# Allegro board 8880F5-0823_RXTX.brd (continued)
## Placement (name value [footprint] x y rotation side) (continued)
NOREF#2161  -  []  462.06 293.82 90 top
NOREF#2162  -  []  256.45 164.72 0 top
NOREF#2163  -  []  251.86 192.43 90 top
NOREF#2164  -  []  451.64 179.06 0 top
NOREF#2165  -  []  184.47 247.18 90 top
NOREF#2166  -  []  461.96 174.55 0 top
NOREF#2167  -  []  321.35 296.86 0 top
NOREF#2168  -  []  110.21 222.33 0 top
NOREF#2169  -  []  394.66 274.38 90 top
NOREF#2170  -  []  229.21 247.61 0 top
NOREF#2171  -  []  201.49 147.53 90 top
NOREF#2172  -  []  253.4 265.56 90 top
NOREF#2173  -  []  369.38 257.11 0 top
NOREF#2174  -  []  182.57 226.57 0 top
NOREF#2175  -  []  199.33 240.28 0 top
NOREF#2176  -  []  210.86 242.18 90 top
NOREF#2177  -  []  334.61 264.65 90 top
NOREF#2178  -  []  177.33 255.9 90 top
NOREF#2179  -  []  253.72 204.65 90 top
NOREF#2180  -  []  101.82 290.38 90 top
NOREF#2181  -  []  201.49 149.73 90 top
NOREF#2182  -  []  168.69 292.55 90 top
NOREF#2183  -  []  471.59 130.36 90 top
NOREF#2184  -  []  331.94 204.65 90 top
NOREF#2185  -  []  331.62 264.35 90 top
NOREF#2186  -  []  182.57 240.28 0 top
NOREF#2187  -  []  172.08 272.6 90 top
NOREF#2188  -  []  415.61 185.72 90 top
NOREF#2189  -  []  313.98 131.19 90 top
NOREF#2190  -  []  384.36 131.89 0 top
NOREF#2191  -  []  352.25 241.69 0 top
NOREF#2192  -  []  167.7 215.35 90 top
NOREF#2193  -  []  333.33 181.33 90 top
NOREF#2194  -  []  409.43 139.89 0 top
NOREF#2195  -  []  238.45 197.01 0 top
NOREF#2196  -  []  259.88 288.41 90 top
NOREF#2197  -  []  317.66 224.72 0 top
NOREF#2198  -  []  419.47 241.11 90 top
NOREF#2199  -  []  383.09 224.85 0 top
NOREF#2200  -  []  75.98 273.87 90 top
NOREF#2201  -  []  351.58 288.86 0 top
NOREF#2202  -  []  184.47 161 90 top
NOREF#2203  -  []  310.43 188.88 90 top
NOREF#2204  -  []  381.74 281.11 0 top
NOREF#2205  -  []  119.99 214.79 0 top
NOREF#2206  -  []  229.05 211.67 0 top
NOREF#2207  -  []  396.55 273.11 0 top
NOREF#2208  -  []  450.03 210.36 0 top
NOREF#2209  -  []  353.35 288.41 90 top
NOREF#2210  -  []  392.24 193.43 90 top
NOREF#2211  -  []  398.65 265.37 0 top
NOREF#2212  -  []  252.51 265.56 90 top
NOREF#2213  -  []  192.47 236.67 90 top
NOREF#2214  -  []  166.06 203.01 90 top
NOREF#2215  -  []  449.99 174.46 0 top
NOREF#2216  -  []  346.27 129.42 0 top
NOREF#2217  -  []  301.56 179.06 0 top
NOREF#2218  -  []  168.13 254.6 90 top
NOREF#2219  -  []  317.66 164.74 0 top
NOREF#2220  -  []  352.24 182.32 90 top
NOREF#2221  -  []  283.21 282 0 top
NOREF#2222  -  []  342.04 224.74 0 top
NOREF#2223  -  []  313.22 288.31 90 top
NOREF#2224  -  []  184.47 227.72 0 top
NOREF#2225  -  []  286.55 288.41 90 top
NOREF#2226  -  []  273.5 148.65 90 top
NOREF#2227  -  []  392.24 196.98 90 top
NOREF#2228  -  []  122.41 178.64 0 top
NOREF#2229  -  []  339.65 204.65 90 top
NOREF#2230  -  []  305.94 288.86 0 top
NOREF#2231  -  []  495.08 274.77 90 top
NOREF#2232  -  []  351.34 242.64 0 top
NOREF#2233  -  []  111.54 287.84 90 top
NOREF#2234  -  []  333.72 205.86 90 top
NOREF#2235  -  []  235.4 289.88 90 top
NOREF#2236  -  []  238.3 223.52 90 top
NOREF#2237  -  []  182.57 199.39 0 top
NOREF#2238  -  []  184.47 178.86 90 top
NOREF#2239  -  []  66.26 287.84 90 top
NOREF#2240  -  []  302.11 142.44 0 top
NOREF#2241  -  []  470.71 183.57 90 top
NOREF#2242  -  []  309.21 247.61 0 top
NOREF#2243  -  []  415.6 146.88 0 top
NOREF#2244  -  []  390.53 171.64 0 top
NOREF#2245  -  []  310.43 186.34 90 top
NOREF#2246  -  []  127.99 214.79 0 top
NOREF#2247  -  []  259.65 204.65 90 top
NOREF#2248  -  []  216.96 192.14 0 top
NOREF#2249  -  []  424.98 146.43 90 top
NOREF#2250  -  []  184.47 206.29 90 top
NOREF#2251  -  []  175.7 202.99 90 top
NOREF#2252  -  []  184.89 199.99 90 top
NOREF#2253  -  []  118.74 210.19 90 top
NOREF#2254  -  []  396.22 139.89 0 top
NOREF#2255  -  []  184.89 254.6 90 top
NOREF#2256  -  []  511.59 293.82 90 top
NOREF#2257  -  []  352.55 189.5 0 top
NOREF#2258  -  []  343.95 164.74 90 top
NOREF#2259  -  []  250.49 164.74 90 top
NOREF#2260  -  []  271.34 241.37 0 top
NOREF#2261  -  []  234.7 286.71 90 top
NOREF#2262  -  []  310.73 247.93 0 top
NOREF#2263  -  []  167.7 206.29 90 top
NOREF#2264  -  []  118.74 215.34 0 top
NOREF#2265  -  []  166.06 162.12 90 top
NOREF#2266  -  []  552.76 299.72 0 top
NOREF#2267  -  []  352.25 181.05 90 top
NOREF#2268  -  []  379.73 271.21 90 top
NOREF#2269  -  []  450.03 225.6 0 top
NOREF#2270  -  []  182.82 162.12 90 top
NOREF#2271  -  []  388.43 163.64 0 top
NOREF#2272  -  []  401.89 163.64 0 top
NOREF#2273  -  []  167.7 192.32 90 top
NOREF#2274  -  []  106.76 215.26 0 top
NOREF#2275  -  []  247.34 133.41 90 top
NOREF#2276  -  []  398.65 297.12 0 top
NOREF#2277  -  []  250.49 223.52 90 top
NOREF#2278  -  []  201.23 187.92 90 top
NOREF#2279  -  []  184.47 178.86 90 top
NOREF#2280  -  []  419.47 289.12 90 top
NOREF#2281  -  []  261.42 135.74 90 top
NOREF#2282  -  []  392.04 289.12 90 top
NOREF#2283  -  []  253.4 265.55 0 top
NOREF#2284  -  []  252.6 288.86 0 top
NOREF#2285  -  []  404.15 257.37 0 top
NOREF#2286  -  []  201.23 242.78 90 top
NOREF#2287  -  []  478.57 274.77 90 top
NOREF#2288  -  []  272.25 181.05 90 top
NOREF#2289  -  []  330.51 288.86 0 top
NOREF#2290  -  []  253.72 265.86 90 top
NOREF#2291  -  []  199.59 158.5 90 top
NOREF#2292  -  []  257.09 224.74 90 top
NOREF#2293  -  []  283.91 273.37 90 top
NOREF#2294  -  []  390.53 146.88 0 top
NOREF#2295  -  []  283.21 270.2 90 top
NOREF#2296  -  []  200.98 255.15 90 top
NOREF#2297  -  []  297.41 213.24 0 top
NOREF#2298  -  []  400.34 194.68 90 top
NOREF#2299  -  []  98.78 195.15 0 top
NOREF#2300  -  []  270.29 135.24 90 top
NOREF#2301  -  []  392.47 256.56 90 top
NOREF#2302  -  []  309.21 183.09 0 top
NOREF#2303  -  []  352.25 185.5 0 top
NOREF#2304  -  []  406.65 271.21 90 top
NOREF#2305  -  []  511.59 291.28 90 top
NOREF#2306  -  []  253.4 204.35 90 top
NOREF#2307  -  []  250.73 265.56 90 top
NOREF#2308  -  []  331.62 205.56 90 top
NOREF#2309  -  []  177.33 173.86 90 top
NOREF#2310  -  []  383.09 224.85 0 top
NOREF#2311  -  []  423.2 146.88 0 top
NOREF#2312  -  []  167.7 255.15 0 top
NOREF#2313  -  []  308.36 202.16 45 top
NOREF#2314  -  []  389.7 209.36 0 top
NOREF#2315  -  []  250.18 242.88 0 top
NOREF#2316  -  []  369.63 273.11 0 top
NOREF#2317  -  []  210.86 214.75 90 top
NOREF#2318  -  []  237.57 269.63 90 top
NOREF#2319  -  []  271.34 245.18 0 top
NOREF#2320  -  []  468.85 259.9 90 top
NOREF#2321  -  []  351.04 245.5 0 top
NOREF#2322  -  []  266.74 272.1 0 top
NOREF#2323  -  []  240.83 194.63 0 top
NOREF#2324  -  []  302.49 296.86 0 top
NOREF#2325  -  []  410.84 163.64 90 top
NOREF#2326  -  []  301.56 190.49 0 top
NOREF#2327  -  []  375.73 194.78 90 top
NOREF#2328  -  []  461.86 225.6 90 top
NOREF#2329  -  []  354.27 131.87 90 top
NOREF#2330  -  []  314.71 129.74 90 top
NOREF#2331  -  []  251.38 164.74 90 top
NOREF#2332  -  []  229.21 248.88 0 top
NOREF#2333  -  []  310.41 248.88 90 top
NOREF#2334  -  []  352.24 244.86 90 top
NOREF#2335  -  []  343.2 172.26 90 top
NOREF#2336  -  []  209.49 182.06 90 top
NOREF#2337  -  []  127.55 184.33 90 top
NOREF#2338  -  []  301.56 239.06 0 top
NOREF#2339  -  []  342.63 296.86 0 top
NOREF#2340  -  []  346.27 130.77 90 top
NOREF#2341  -  []  167.7 145.93 90 top
NOREF#2342  -  []  400.25 148.15 90 top
NOREF#2343  -  []  184.47 219.75 90 top
NOREF#2344  -  []  375.22 180.15 0 top
NOREF#2345  -  []  168.13 213.45 90 top
NOREF#2346  -  []  326.23 233.13 0 top
NOREF#2347  -  []  394.66 290.39 90 top
NOREF#2348  -  []  319.33 176.03 90 top
NOREF#2349  -  []  107.76 238.84 0 top
NOREF#2350  -  []  209.59 147.43 90 top
NOREF#2351  -  []  184.47 145.93 0 top
NOREF#2352  -  []  423.61 184.62 90 top
NOREF#2353  -  []  94.68 234.24 0 top
NOREF#2354  -  []  386.53 148.15 90 top
NOREF#2355  -  []  381.74 297.12 0 top
NOREF#2356  -  []  271.34 189.5 0 top
NOREF#2357  -  []  211.11 146.93 90 top
NOREF#2358  -  []  105.93 204.27 90 top
NOREF#2359  -  []  209.23 232.37 90 top
NOREF#2360  -  []  381.86 129.99 0 top
NOREF#2361  -  []  272.25 244.86 90 top
NOREF#2362  -  []  312.46 131.69 90 top
NOREF#2363  -  []  247.78 132.14 90 top
NOREF#2364  -  []  263.31 164.72 0 top
NOREF#2365  -  []  329.28 225.04 90 top
NOREF#2366  -  []  271.34 183.91 0 top
NOREF#2367  -  []  199.33 199.39 0 top
NOREF#2368  -  []  112.67 178.64 0 top
NOREF#2369  -  []  295.96 248.49 0 top
NOREF#2370  -  []  333.72 204.65 90 top
NOREF#2371  -  []  201.23 200.54 90 top
NOREF#2372  -  []  262.34 143.19 0 top
NOREF#2373  -  []  392.73 171.64 0 top
NOREF#2374  -  []  272.55 183.91 0 top
NOREF#2375  -  []  324.65 288.86 0 top
NOREF#2376  -  []  385.93 161.74 0 top
NOREF#2377  -  []  410.52 273.37 0 top
NOREF#2378  -  []  367.13 287.22 0 top
NOREF#2379  -  []  410.84 180.15 90 top
NOREF#2380  -  []  167.7 163.2 90 top
NOREF#2381  -  []  251.62 265.56 0 top
NOREF#2382  -  []  272.66 288.86 90 top
NOREF#2383  -  []  111.54 290.38 90 top
NOREF#2384  -  []  392.73 188.15 0 top
NOREF#2385  -  []  409.17 297.12 0 top
NOREF#2386  -  []  451.64 222.5 0 top
NOREF#2387  -  []  247.25 265.56 90 top
NOREF#2388  -  []  166.06 243.9 90 top
NOREF#2389  -  []  371.48 241.11 0 top
NOREF#2390  -  []  394.05 287.22 0 top
NOREF#2391  -  []  273.24 272.1 0 top
NOREF#2392  -  []  331.94 205.86 90 top
NOREF#2393  -  []  230.83 164.63 0 top
NOREF#2394  -  []  106.11 234.24 0 top
NOREF#2395  -  []  167.7 217.55 90 top
NOREF#2396  -  []  518.38 292.92 90 top
NOREF#2397  -  []  460.93 182.17 90 top
NOREF#2398  -  []  341.63 173.83 90 top
NOREF#2399  -  []  449.99 217.9 0 top
NOREF#2400  -  []  237.57 209.63 90 top
NOREF#2401  -  []  230.73 193.69 0 top
NOREF#2402  -  []  392.04 273.11 90 top
NOREF#2403  -  []  184.89 227.17 90 top
NOREF#2404  -  []  251.22 253.63 0 top
NOREF#2405  -  []  226.83 269.63 90 top
NOREF#2406  -  []  230.43 254.01 0 top
NOREF#2407  -  []  210.86 187.32 90 top
NOREF#2408  -  []  167.7 145.93 0 top
NOREF#2409  -  []  226.85 211.67 0 top
NOREF#2410  -  []  351.04 182.96 0 top
NOREF#2411  -  []  390.94 224.9 90 top
NOREF#2412  -  []  112.41 195.15 0 top
NOREF#2413  -  []  292.74 296.86 0 top
NOREF#2414  -  []  192.47 243.88 90 top
NOREF#2415  -  []  167.7 219.75 90 top
NOREF#2416  -  []  327.57 204.65 90 top
NOREF#2417  -  []  378.75 240.56 90 top
NOREF#2418  -  []  319.33 176.03 0 top
NOREF#2419  -  []  184.47 258.7 90 top
NOREF#2420  -  []  352.25 242.32 90 top
NOREF#2421  -  []  405.93 272.66 90 top
NOREF#2422  -  []  276.4 147.38 0 top
NOREF#2423  -  []  411.52 146.33 90 top
NOREF#2424  -  []  256.45 224.74 0 top
NOREF#2425  -  []  119.7 238.84 0 top
NOREF#2426  -  []  324.9 288.91 90 top
NOREF#2427  -  []  367.48 258.38 90 top
NOREF#2428  -  []  115.61 191.95 90 top
NOREF#2429  -  []  226.27 156.63 90 top
NOREF#2430  -  []  462.06 291.28 90 top
NOREF#2431  -  []  301.34 286.96 0 top
NOREF#2432  -  []  403.99 163.64 0 top
NOREF#2433  -  []  248.96 164.74 0 top
NOREF#2434  -  []  250.74 224.72 0 top
NOREF#2435  -  []  355.89 130.17 90 top
NOREF#2436  -  []  303.26 152.34 0 top
NOREF#2437  -  []  201.23 201.89 90 top
NOREF#2438  -  []  209.33 215.25 90 top
NOREF#2439  -  []  318.32 131.64 0 top
NOREF#2440  -  []  175.8 133.97 90 top
NOREF#2441  -  []  405.5 289.12 90 top
NOREF#2442  -  []  199.84 175.58 90 top
NOREF#2443  -  []  405.51 217.61 0 top
NOREF#2444  -  []  385.19 257.11 0 top
NOREF#2445  -  []  272.25 241.05 90 top
NOREF#2446  -  []  310.41 253.37 90 top
NOREF#2447  -  []  330.73 205.56 0 top
NOREF#2448  -  []  511.59 257.36 90 top
NOREF#2449  -  []  226.44 294.64 90 top
NOREF#2450  -  []  259.65 204.65 90 top
NOREF#2451  -  []  317.05 288.86 0 top
NOREF#2452  -  []  209.59 160.9 90 top
NOREF#2453  -  []  401.87 139.89 0 top
NOREF#2454  -  []  259.97 264.35 90 top
NOREF#2455  -  []  354.37 130.67 90 top
NOREF#2456  -  []  419.9 272.92 90 top
NOREF#2457  -  []  373.68 232.6 0 top
NOREF#2458  -  []  393.31 131.89 90 top
NOREF#2459  -  []  419.4 171.64 0 top
NOREF#2460  -  []  425.7 144.98 90 top
NOREF#2461  -  []  229.51 253.69 0 top
NOREF#2462  -  []  239.33 236.03 90 top
NOREF#2463  -  []  400.85 281.11 0 top
NOREF#2464  -  []  559.43 297.18 90 top
NOREF#2465  -  []  167.7 241.43 90 top
NOREF#2466  -  []  182.57 185.42 0 top
NOREF#2467  -  []  166.06 148.4 90 top
NOREF#2468  -  []  118.96 179.19 0 top
NOREF#2469  -  []  317.98 225.04 90 top
NOREF#2470  -  []  368.28 281.11 0 top
NOREF#2471  -  []  419.65 256.92 90 top
NOREF#2472  -  []  317.57 269.63 90 top
NOREF#2473  -  []  122.15 222.33 0 top
NOREF#2474  -  []  209.49 177.76 90 top
NOREF#2475  -  []  115.87 175.44 90 top
NOREF#2476  -  []  167.7 201.89 90 top
NOREF#2477  -  []  240.94 151.63 90 top
NOREF#2478  -  []  331.86 252.43 90 top
NOREF#2479  -  []  344.37 128.27 0 top
NOREF#2480  -  []  201.49 163.2 90 top
NOREF#2481  -  []  352.25 243.59 90 top
NOREF#2482  -  []  285.02 288.91 90 top
NOREF#2483  -  []  326.17 131.69 90 top
NOREF#2484  -  []  300.36 177.06 0 top
NOREF#2485  -  []  288.74 290.13 90 top
NOREF#2486  -  []  242.23 173.13 0 top
NOREF#2487  -  []  249.6 223.52 90 top
NOREF#2488  -  []  201.49 161 90 top
NOREF#2489  -  []  298.13 274.06 90 top
NOREF#2490  -  []  338.2 186.67 0 top
NOREF#2491  -  []  470.71 227 90 top
NOREF#2492  -  []  463.61 214.96 0 top
NOREF#2493  -  []  182.82 230.19 90 top
NOREF#2494  -  []  252.83 264.65 90 top
NOREF#2495  -  []  328.96 164.72 0 top
NOREF#2496  -  []  384.17 180.15 90 top
NOREF#2497  -  []  96.58 195.15 0 top
NOREF#2498  -  []  327.25 205.55 0 top
NOREF#2499  -  []  459.24 219.3 90 top
NOREF#2500  -  []  293.31 272.1 0 top
NOREF#2501  -  []  283.25 147.43 90 top
NOREF#2502  -  []  271.34 249.5 0 top
NOREF#2503  -  []  411.99 161.74 90 top
NOREF#2504  -  []  93.76 287.84 90 top
NOREF#2505  -  []  175.7 191.22 90 top
NOREF#2506  -  []  184.47 159.65 90 top
NOREF#2507  -  []  184.89 186.02 90 top
NOREF#2508  -  []  175.7 182.06 90 top
NOREF#2509  -  []  450.03 191.31 0 top
NOREF#2510  -  []  248.33 247.93 0 top
NOREF#2511  -  []  209.23 230.17 90 top
NOREF#2512  -  []  199.33 212.85 0 top
NOREF#2513  -  []  394.05 271.21 0 top
NOREF#2514  -  []  184.47 229.07 90 top
NOREF#2515  -  []  302.71 132.91 90 top
NOREF#2516  -  []  460.93 210.36 90 top
NOREF#2517  -  []  381.2 242.38 90 top
NOREF#2518  -  []  309.51 253.69 0 top
NOREF#2519  -  []  315.7 296.86 0 top
NOREF#2520  -  []  409.17 249.11 0 top
NOREF#2521  -  []  392.47 240.56 90 top
NOREF#2522  -  []  299.81 273.69 90 top
NOREF#2523  -  []  262.68 223.52 90 top
NOREF#2524  -  []  272.25 245.5 0 top
NOREF#2525  -  []  263.44 135.19 0 top
NOREF#2526  -  []  184.47 241.43 90 top
NOREF#2527  -  []  401.89 180.15 0 top
NOREF#2528  -  []  167.7 227.72 0 top
NOREF#2529  -  []  250.17 223.82 90 top
NOREF#2530  -  []  415.1 163.64 0 top
NOREF#2531  -  []  423.45 146.93 90 top
NOREF#2532  -  []  210.6 255.9 90 top
NOREF#2533  -  []  192.47 209.49 90 top
NOREF#2534  -  []  262.68 163.52 90 top
NOREF#2535  -  []  96.33 238.84 0 top
NOREF#2536  -  []  247.57 265.86 90 top
NOREF#2537  -  []  367.48 242.38 90 top
NOREF#2538  -  []  167.7 161 90 top
NOREF#2539  -  []  352.24 241.05 90 top
NOREF#2540  -  []  337.9 246.99 0 top
NOREF#2541  -  []  371.48 265.11 0 top
NOREF#2542  -  []  108.27 171.02 0 top
NOREF#2543  -  []  331.86 192.43 90 top
NOREF#2544  -  []  343.98 288.86 0 top
NOREF#2545  -  []  201.23 219.75 90 top
NOREF#2546  -  []  297.83 234.63 90 top
NOREF#2547  -  []  230.73 249.2 0 top
NOREF#2548  -  []  320.94 211.63 90 top
NOREF#2549  -  []  244.8 288.61 0 top
NOREF#2550  -  []  352.55 183.91 0 top
NOREF#2551  -  []  459.24 175.86 0 top
NOREF#2552  -  []  230.73 186.66 0 top
NOREF#2553  -  []  518.38 290.38 90 top
NOREF#2554  -  []  105.58 234.24 90 top
NOREF#2555  -  []  375.73 193.43 0 top
NOREF#2556  -  []  393.74 131.44 90 top
NOREF#2557  -  []  451.68 230.2 0 top
NOREF#2558  -  []  406.19 171.64 0 top
NOREF#2559  -  []  247.25 265.55 0 top
NOREF#2560  -  []  175.7 141.67 90 top
NOREF#2561  -  []  406.94 131.34 90 top
NOREF#2562  -  []  272.25 242.32 90 top
NOREF#2563  -  []  449.99 217.9 0 top
NOREF#2564  -  []  383.09 257.11 0 top
NOREF#2565  -  []  119.76 127 90 top
NOREF#2566  -  []  107.02 166.42 90 top
NOREF#2567  -  []  228.36 202.16 45 top
NOREF#2568  -  []  257.9 186.99 0 top
NOREF#2569  -  []  165.8 254 0 top
NOREF#2570  -  []  94.93 190.55 0 top
NOREF#2571  -  []  230.43 193.37 90 top
NOREF#2572  -  []  371.48 249.11 0 top
R1  NC/1M-1-S4  [R0402]  221.23 227.84 180 bottom
R2  NC/1M-1-S4  [R0402]  218.95 227.84 0 bottom
R3  NC/100K-1-S4  [R0402]  184.15 131.06 180 bottom
R4  NC/100K-1-S4  [R0402]  181.61 131.06 180 bottom
R5  0-5-S4  [R0402]  222.38 272.16 270 bottom
R6  1M-1-S4  [R0402]  222.38 274.32 270 bottom
R7  49.9-1-S4  [R0402]  178.5 217.52 90 bottom
R8  49.9-1-S4  [R0402]  178.5 215.38 90 bottom
R9  49.9-1-S4  [R0402]  164.91 217.52 90 bottom
R10  49.9-1-S4  [R0402]  164.91 215.38 90 bottom
R11  49.9-1-S4  [R0402]  212.03 231.24 90 bottom
R12  49.9-1-S4  [R0402]  212.03 229.1 90 bottom
R13  49.9-1-S4  [R0402]  198.44 231.24 90 bottom
R14  49.9-1-S4  [R0402]  198.44 229.1 90 bottom
R15  49.9-1-S4  [R0402]  296.06 299.66 180 bottom
R16  49.9-1-S4  [R0402]  298.21 299.66 180 bottom
R17  49.9-1-S4  [R0402]  296.06 286.07 180 bottom
R18  49.9-1-S4  [R0402]  298.21 286.07 180 bottom
R19  49.9-1-S4  [R0402]  309.27 299.66 180 bottom
R20  49.9-1-S4  [R0402]  311.42 299.66 180 bottom
R21  49.9-1-S4  [R0402]  309.27 286.07 180 bottom
R22  49.9-1-S4  [R0402]  311.42 286.07 180 bottom
R23  49.9-1-S4  [R0402]  349.4 299.66 180 bottom
R24  49.9-1-S4  [R0402]  351.55 299.66 180 bottom
R25  49.9-1-S4  [R0402]  349.4 286.07 180 bottom
R26  49.9-1-S4  [R0402]  351.55 286.07 180 bottom
R27  49.9-1-S4  [R0402]  335.94 299.66 180 bottom
R28  49.9-1-S4  [R0402]  338.09 299.66 180 bottom
R29  49.9-1-S4  [R0402]  335.94 286.07 180 bottom
R30  49.9-1-S4  [R0402]  338.09 286.07 180 bottom
R31  49.9-1-S4  [R0402]  322.48 299.66 180 bottom
R32  49.9-1-S4  [R0402]  324.62 299.66 180 bottom
R33  49.9-1-S4  [R0402]  322.48 286.07 180 bottom
R34  49.9-1-S4  [R0402]  324.62 286.07 180 bottom
R37  49.9-1-S4  [R0402]  269.14 286.07 180 bottom
R38  49.9-1-S4  [R0402]  271.28 286.07 180 bottom
R39  49.9-1-S4  [R0402]  287.88 269.3 0 bottom
R40  49.9-1-S4  [R0402]  285.74 269.3 0 bottom
R41  49.9-1-S4  [R0402]  287.88 282.89 0 bottom
R42  49.9-1-S4  [R0402]  285.74 282.89 0 bottom
R43  49.9-1-S4  [R0402]  164.91 258.67 90 bottom
R44  49.9-1-S4  [R0402]  164.91 256.53 90 bottom
R45  49.9-1-S4  [R0402]  198.44 244.96 90 bottom
R46  49.9-1-S4  [R0402]  198.44 242.81 90 bottom
R47  49.9-1-S4  [R0402]  195.26 231.24 90 bottom
R48  49.9-1-S4  [R0402]  195.26 229.1 90 bottom
R49  49.9-1-S4  [R0402]  181.67 231.24 90 bottom
R50  49.9-1-S4  [R0402]  181.67 229.1 90 bottom
R51  49.9-1-S4  [R0402]  178.5 231.24 90 bottom
R52  49.9-1-S4  [R0402]  178.5 229.1 90 bottom
R53  49.9-1-S4  [R0402]  164.91 231.24 90 bottom
R54  49.9-1-S4  [R0402]  164.91 229.1 90 bottom
R55  49.9-1-S4  [R0402]  211.77 258.67 90 bottom
R56  49.9-1-S4  [R0402]  211.77 256.53 90 bottom
R57  49.9-1-S4  [R0402]  198.18 258.67 90 bottom
R58  49.9-1-S4  [R0402]  198.18 256.53 90 bottom
R59  49.9-1-S4  [R0402]  195.26 244.96 90 bottom
R60  49.9-1-S4  [R0402]  195.26 242.81 90 bottom
R61  49.9-1-S4  [R0402]  181.67 244.96 90 bottom
R62  49.9-1-S4  [R0402]  181.67 242.81 90 bottom
R63  49.9-1-S4  [R0402]  195.26 258.67 90 bottom
R64  49.9-1-S4  [R0402]  195.26 256.53 90 bottom
R65  49.9-1-S4  [R0402]  164.91 244.96 90 bottom
R66  49.9-1-S4  [R0402]  164.91 242.81 90 bottom
R67  49.9-1-S4  [R0402]  239.37 285.81 0 bottom
R68  49.9-1-S4  [R0402]  237.22 285.81 0 bottom
R69  49.9-1-S4  [R0402]  239.37 299.4 0 bottom
R70  49.9-1-S4  [R0402]  237.22 299.4 0 bottom
R71  49.9-1-S4  [R0402]  255.93 299.66 180 bottom
R72  49.9-1-S4  [R0402]  258.08 299.66 180 bottom
R73  49.9-1-S4  [R0402]  255.93 286.07 180 bottom
R74  49.9-1-S4  [R0402]  258.08 286.07 180 bottom
R75  49.9-1-S4  [R0402]  282.6 299.66 180 bottom
R76  49.9-1-S4  [R0402]  284.75 299.66 180 bottom
R77  49.9-1-S4  [R0402]  282.6 286.07 180 bottom
R78  49.9-1-S4  [R0402]  284.75 286.07 180 bottom
R79  49.9-1-S4  [R0402]  178.5 258.67 90 bottom
R80  49.9-1-S4  [R0402]  178.5 256.53 90 bottom
R82  4.7K-1-S4-WA  [R0402]  122.62 241.1 180 bottom
R83  4.7K-1-S4-WA  [R0402]  96.77 233.43 180 bottom
R84  4.7K-1-S4-WA  [R0402]  96.77 241.05 180 bottom
R85  100K-1-S4  [R0402]  113.79 230.12 180 bottom
R86  4.7K-1-S4-WA  [R0402]  93.33 207.46 180 bottom
R87  4.7K-1-S4-WA  [R0402]  104.14 203.31 180 bottom
R88  4.7K-1-S4-WA  [R0402]  101.6 203.31 180 bottom
R89  4.7K-1-S4-WA  [R0402]  89.03 207.41 0 bottom
R90  4.7K-1-S4-WA  [R0402]  101.6 215.5 180 bottom
R91  4.7K-1-S4-WA  [R0402]  99.06 215.5 180 bottom
R92  4.7K-1-S4-WA  [R0402]  96.52 215.5 180 bottom
R93  4.7K-1-S4-WA  [R0402]  93.33 221.18 180 bottom
R94  4.7K-1-S4-WA  [R0402]  104.25 216.86 0 bottom
R95  4.7K-1-S4-WA  [R0402]  101.7 216.91 180 bottom
R96  4.7K-1-S4-WA  [R0402]  89.27 221.18 0 bottom
R97  4.7K-1-S4-WA  [R0402]  101.7 229.1 180 bottom
R98  4.7K-1-S4-WA  [R0402]  99.16 229.1 180 bottom
R99  4.7K-1-S4-WA  [R0402]  96.62 229.1 180 bottom
R100  49.9-1-S4  [R0402]  181.67 258.67 90 bottom
R101  49.9-1-S4  [R0402]  181.67 256.53 90 bottom
R102  49.9-1-S4  [R0402]  212.03 244.96 90 bottom
R103  49.9-1-S4  [R0402]  212.03 242.81 90 bottom
R104  49.9-1-S4  [R0402]  178.5 244.96 90 bottom
R105  49.9-1-S4  [R0402]  178.5 242.81 90 bottom
R117  1K-1-S4  [R0402]  127.2 241.1 180 bottom
R118  NC/0-5-S4  [R0402]  230.41 245.39 180 bottom
R119  4.7K-1-S4-WA  [R0402]  127.25 233.43 0 bottom
R120  4.7K-1-S4-WA  [R0402]  127.25 225.81 0 bottom
R125  0-5-S4  [R0402]  123.19 224.54 180 bottom
R126  0-5-S4  [R0402]  127.25 224.54 180 bottom
R127  0-5-S4  [R0402]  122.94 216.92 180 bottom
R128  0-5-S4  [R0402]  127.51 216.92 180 bottom
R129  0-5-S4  [R0402]  221.23 229.11 180 bottom
R130  0-5-S4  [R0402]  218.95 229.11 0 bottom
R131  50-0.1-S4-HF-VI  [R0402]  223.77 243.33 90 bottom
R132  50-0.1-S4-HF-VI  [R0402]  216.15 243.33 90 bottom
R133  0-5-S4  [R0402]  222.38 276.48 90 bottom
RB1  10K-1-S6  [R0603]  212.47 13.59 0 bottom
RB2  10K-1-S6  [R0603]  212.47 12.06 0 bottom
S1_I2C  HDR-4X1-MR-A  [JP_4P_100_R90_V1]  62.99 209.04 270 top
S1_RST_N  HDR-2X1-M  [JP_2P_100]  115.82 232.41 270 bottom
S2_I2C  HDR-4X1-MR-A  [JP_4P_100_R90_V1]  497.33 203.45 270 top
S2_RST_N  HDR-2X1-M  [JP_2P_100]  463.04 233.43 90 bottom
S3_I2C  HDR-4X1-MR-A  [JP_4P_100_R90_V1]  75.69 209.04 270 top
S3_RST_N  HDR-2X1-M  [JP_2P_100]  116.08 188.72 270 bottom
S4_I2C  HDR-4X1-MR-A  [JP_4P_100_R90_V1]  511.3 203.45 270 top
S4_RST_N  HDR-2X1-M  [JP_2P_100]  463.04 189.99 90 bottom
SB1  SHORT  [DEFAULT_SHORT_SMALL]  402.59 11.04 90 top
SB2  SHORT  [DEFAULT_SHORT_SMALL]  328.93 417.83 270 top
SB3  SHORT  [DEFAULT_SHORT_SMALL]  255.27 11.71 90 top
SB8  SHORT  [DEFAULT_SHORT_SMALL]  179.07 418.32 270 top
SCREW1  V93KMFHOLE  [PG_VG93K_F_FULLOUTLINE]  290.83 214.63 0 top
SH1  SHORT  [DEFAULT_SHORT_SMALL]  185.19 290.72 0 top
SH2  SHORT  [DEFAULT_SHORT_SMALL]  187.14 290.72 0 top
SH3  SHORT  [DEFAULT_SHORT_SMALL]  175.35 290.72 0 top
SH4  SHORT  [DEFAULT_SHORT_SMALL]  173.4 290.85 180 top
SH5  SHORT  [DEFAULT_SHORT_SMALL]  118.2 289.45 0 top
SH6  SHORT  [DEFAULT_SHORT_SMALL]  116.25 289.58 180 top
SH7  SHORT  [DEFAULT_SHORT_SMALL]  168.68 290.72 0 top
SH8  SHORT  [DEFAULT_SHORT_SMALL]  156.89 290.85 180 top
SH9  SHORT  [DEFAULT_SHORT_SMALL]  170.63 290.72 0 top
SH10  SHORT  [DEFAULT_SHORT_SMALL]  158.84 290.72 0 top
SH11  SHORT  [DEFAULT_SHORT_SMALL]  173.4 274.34 180 top
SH12  SHORT  [DEFAULT_SHORT_SMALL]  185.19 274.21 0 top
SH13  SHORT  [DEFAULT_SHORT_SMALL]  203.14 290.72 0 top
SH14  SHORT  [DEFAULT_SHORT_SMALL]  201.19 290.72 0 top
SH15  SHORT  [DEFAULT_SHORT_SMALL]  189.4 290.85 180 top
SH16  SHORT  [DEFAULT_SHORT_SMALL]  191.35 290.72 0 top
SH17  SHORT  [DEFAULT_SHORT_SMALL]  156.89 274.34 180 top
SH18  SHORT  [DEFAULT_SHORT_SMALL]  168.68 274.21 0 top
SH19  SHORT  [DEFAULT_SHORT_SMALL]  99.42 246.45 0 top
SH20  SHORT  [DEFAULT_SHORT_SMALL]  101.62 246.45 0 top
SH21  SHORT  [DEFAULT_SHORT_SMALL]  94.56 246.5 0 top
SH22  SHORT  [DEFAULT_SHORT_SMALL]  96.76 246.5 0 top
SH23  SHORT  [DEFAULT_SHORT_SMALL]  201.19 274.21 0 top
SH24  SHORT  [DEFAULT_SHORT_SMALL]  203.37 274.08 180 top
SH25  SHORT  [DEFAULT_SHORT_SMALL]  175.35 274.21 0 top
SH26  SHORT  [DEFAULT_SHORT_SMALL]  187.14 274.21 0 top
SH27  SHORT  [DEFAULT_SHORT_SMALL]  158.84 274.21 0 top
SH28  SHORT  [DEFAULT_SHORT_SMALL]  170.63 274.21 0 top
SITE1  CU/HX8880-F05-LQFP176-20X20  [SK_LQFP176P_0P4MM_JG_HX8880]  250.83 244.63 90 top
SITE2  CU/HX8880-F05-LQFP176-20X20  [SK_LQFP176P_0P4MM_JG_HX8880]  330.83 244.63 90 top
SITE3  CU/HX8880-F05-LQFP176-20X20  [SK_LQFP176P_0P4MM_JG_HX8880]  250.83 184.63 90 top
SITE4  CU/HX8880-F05-LQFP176-20X20  [SK_LQFP176P_0P4MM_JG_HX8880]  330.83 184.63 90 top
SKB  Socket_Base_M5_140x140  [SOCKET_BASE_140X140_565100]  290.83 214.63 0 top